# Altium PCB DL-5新款球锁 - 拼板-20201231.PcbDoc (part 2 of 9)
Units mm, origin at the board's own origin, x right, y up, seen from the top; angles counter-clockwise.
Board outline 55.99 x 50 mm, 4 copper layers (Top Layer, POWER, GND, Bottom Layer); 388 components, 70 nets, 1224 pads, 536 vias.
Unrouted connection lines stored in the file: 276.
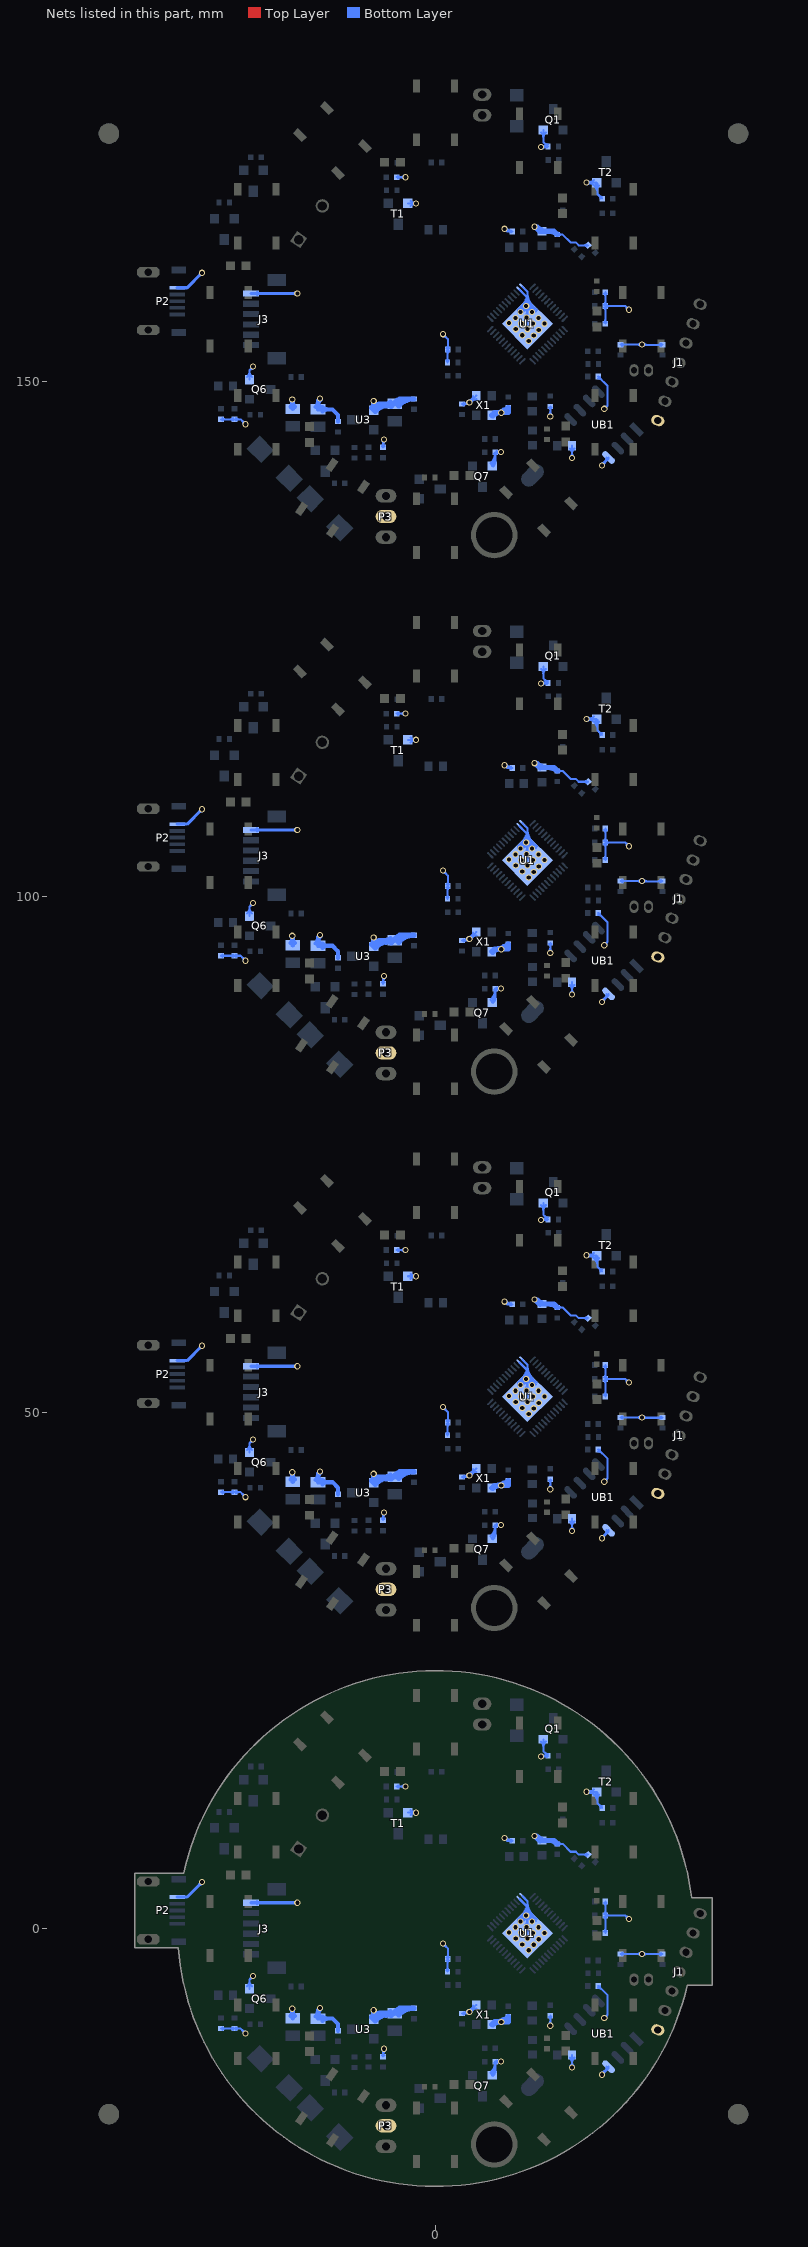
[diagram p4: the nets of this part, all layers, seen from the top]

## Via types
v1: diameter 0.6, hole 0.4, Top Layer to Bottom Layer, 440 vias
v2: diameter 0.6, hole 0.4, Top Layer to Bottom Layer, tented both sides, 48 vias
v3: diameter 0.61, hole 0.406, Top Layer to Bottom Layer, 24 vias
v4: diameter 0.61, hole 0.4, Top Layer to Bottom Layer, 16 vias
v5: diameter 0.61, hole 0.406, Top Layer to Bottom Layer, tented both sides, 8 vias

## Nets (pads, with @x,y where several pads share a name; then routed paths per layer and width w, separated by ;. In a path a pad name is that pad's centre, name@x,y a point inside that pad or via, vN(x,y) a via of type N, cw(c..) or ccw(c..) an arc to the next point about the centre after c; other vN are vias at no path point) (continued)
GND: C1.2 C2.2 C3.2 C4.2 C5.2 C6.2 C27.1 C28.1 C32.1 C33.1 C34.2 C35.1 C36.1 C38.1 C39.2 C40.2 C41.2 C42.2 C43.2 C44.1 C45.1 J1.7 J3.6 P2.5 P3.2 Q1.E Q6.E Q7.E R1.2 R11.2 R18.2 R26.2 R54.1 RW1.2 RW2.1 T1.2 T2.2 U1.0 U1.23 U1.24 U3.1 UB1.4 X1.2 X1.4 | length 721.4
  Top Layer w0.2: v1@-5.008,-11.786 v1(-5.008,-11.659) ; v1@-5.008,40.214 v1(-5.008,40.341) ; v1@-5.008,92.214 v1(-5.008,92.341) ; v1@-5.008,144.214 v1(-5.008,144.341) ; v1(11.121,-9.423) v1@11.121,-9.398 ; v1(11.121,42.577) v1@11.121,42.602 ; v1(11.121,94.577) v1@11.121,94.602 ; v1(11.121,146.577) v1@11.121,146.602
  Bottom Layer w0.2: RW1.2@-20.807,-9.703 RW2.1@-19.486,-9.703 -18.902,-9.703 v1(-18.419,-10.185) ; RW1.2@-20.807,42.297 RW2.1@-19.486,42.297 -18.902,42.297 v1(-18.419,41.815) ; RW1.2@-20.807,94.297 RW2.1@-19.486,94.297 -18.902,94.297 v1(-18.419,93.815) ; RW1.2@-20.807,146.297 RW2.1@-19.486,146.297 -18.902,146.297 v1(-18.419,145.815) ; RW1.2@-20.673,-9.812 cw(c-20.41,-10.075) -20.41,-9.703 cw(c-20.41,-9.331) RW1.2@-20.673,-9.594 ; RW1.2@-20.673,42.188 cw(c-20.41,41.925) -20.41,42.297 cw(c-20.41,42.669) RW1.2@-20.673,42.406 ; RW1.2@-20.673,94.188 cw(c-20.41,93.925) -20.41,94.297 cw(c-20.41,94.669) RW1.2@-20.673,94.406 ; RW1.2@-20.673,146.188 cw(c-20.41,145.925) -20.41,146.297 cw(c-20.41,146.669) RW1.2@-20.673,146.406 ; RW2.1@-19.62,-9.812 ccw(c-19.883,-10.075) -19.883,-9.703 ccw(c-19.883,-9.331) RW2.1@-19.62,-9.594 ; RW2.1@-19.62,42.188 ccw(c-19.883,41.925) -19.883,42.297 ccw(c-19.883,42.669) RW2.1@-19.62,42.406 ; RW2.1@-19.62,94.188 ccw(c-19.883,93.925) -19.883,94.297 ccw(c-19.883,94.669) RW2.1@-19.62,94.406 ; RW2.1@-19.62,146.188 ccw(c-19.883,145.925) -19.883,146.297 ccw(c-19.883,146.669) RW2.1@-19.62,146.406 ; RW2.1@-19.352,-9.812 cw(c-19.089,-10.075) -19.089,-9.703 cw(c-19.089,-9.331) RW2.1@-19.352,-9.594 ; RW2.1@-19.352,42.188 cw(c-19.089,41.925) -19.089,42.297 cw(c-19.089,42.669) RW2.1@-19.352,42.406 ; RW2.1@-19.352,94.188 cw(c-19.089,93.925) -19.089,94.297 cw(c-19.089,94.669) RW2.1@-19.352,94.406 ; RW2.1@-19.352,146.188 cw(c-19.089,145.925) -19.089,146.297 cw(c-19.089,146.669) RW2.1@-19.352,146.406 ; v1@-18.619,-10.185 ccw(c-19.102,-10.185) -18.761,-9.844 ccw(c-18.419,-9.503) v1@-18.419,-9.985 ; v1@-18.619,41.815 ccw(c-19.102,41.815) -18.761,42.156 ccw(c-18.419,42.497) v1@-18.419,42.015 ; v1@-18.619,93.815 ccw(c-19.102,93.815) -18.761,94.156 ccw(c-18.419,94.497) v1@-18.419,94.015 ; v1@-18.619,145.815 ccw(c-19.102,145.815) -18.761,146.156 ccw(c-18.419,146.497) v1@-18.419,146.015 ; Q6.E@-18.268,-5.595 ccw(c-18.823,-5.04) -18.038,-5.04 ccw(c-17.254,-5.04) Q6.E@-17.809,-5.595 ; Q6.E@-18.268,46.405 ccw(c-18.823,46.96) -18.038,46.96 ccw(c-17.254,46.96) Q6.E@-17.809,46.405 ; Q6.E@-18.268,98.405 ccw(c-18.823,98.96) -18.038,98.96 ccw(c-17.254,98.96) Q6.E@-17.809,98.405 ; Q6.E@-18.268,150.405 ccw(c-18.823,150.96) -18.038,150.96 ccw(c-17.254,150.96) Q6.E@-17.809,150.405 ; Q6.E@-18.038,-5.857 -18.038,-4.953 v1(-17.683,-4.597) ; Q6.E@-18.038,46.143 -18.038,47.047 v1(-17.683,47.403) ; Q6.E@-18.038,98.143 -18.038,99.047 v1(-17.683,99.403) ; Q6.E@-18.038,150.143 -18.038,151.047 v1(-17.683,151.403) ; v1@-17.883,-4.597 cw(c-18.366,-4.597) -18.024,-4.939 cw(c-17.683,-5.28) v1@-17.683,-4.797 ; v1@-17.883,47.403 cw(c-18.366,47.403) -18.024,47.061 cw(c-17.683,46.72) v1@-17.683,47.203 ; v1@-17.883,99.403 cw(c-18.366,99.403) -18.024,99.061 cw(c-17.683,98.72) v1@-17.683,99.203 ; v1@-17.883,151.403 cw(c-18.366,151.403) -18.024,151.061 cw(c-17.683,150.72) v1@-17.683,151.203 ; C40.2@-5.193,-12.312 ccw(c-5.456,-12.049) -5.084,-12.049 ccw(c-4.713,-12.049) C40.2@-4.975,-12.312 ; C40.2@-5.193,39.688 ccw(c-5.456,39.951) -5.084,39.951 ccw(c-4.713,39.951) C40.2@-4.975,39.688 ; C40.2@-5.193,91.688 ccw(c-5.456,91.951) -5.084,91.951 ccw(c-4.713,91.951) C40.2@-4.975,91.688 ; C40.2@-5.193,143.688 ccw(c-5.456,143.951) -5.084,143.951 ccw(c-4.713,143.951) C40.2@-4.975,143.688 ; v1@-5.15,-11.8 cw(c-5.307,-11.957) -5.084,-11.957 ; v1@-5.15,40.2 cw(c-5.307,40.043) -5.084,40.043 ; v1@-5.15,92.2 cw(c-5.307,92.043) -5.084,92.043 ; v1@-5.15,144.2 cw(c-5.307,144.043) -5.084,144.043 ; C40.2@-5.084,-12.421 -5.084,-11.735 v1(-5.008,-11.659) ; C40.2@-5.084,-12.325 cw(c-4.341,-12.325) v1@-4.867,-11.8 ; C40.2@-5.084,39.579 -5.084,40.265 v1(-5.008,40.341) ; C40.2@-5.084,39.675 cw(c-4.341,39.675) v1@-4.867,40.2 ; C40.2@-5.084,91.579 -5.084,92.265 v1(-5.008,92.341) ; C40.2@-5.084,91.675 cw(c-4.341,91.675) v1@-4.867,92.2 ; C40.2@-5.084,143.579 -5.084,144.265 v1(-5.008,144.341) ; C40.2@-5.084,143.675 cw(c-4.341,143.675) v1@-4.867,144.2 ; R11.2@-3.764,13.767 v1(-2.925,13.767) ; R11.2@-3.764,65.767 v1(-2.925,65.767) ; R11.2@-3.764,117.767 v1(-2.925,117.767) ; R11.2@-3.764,169.767 v1(-2.925,169.767) ; R11.2@-3.655,13.658 cw(c-3.392,13.395) -3.392,13.767 cw(c-3.392,14.139) R11.2@-3.655,13.876 ; R11.2@-3.655,65.658 cw(c-3.392,65.395) -3.392,65.767 cw(c-3.392,66.139) R11.2@-3.655,65.876 ; R11.2@-3.655,117.658 cw(c-3.392,117.395) -3.392,117.767 cw(c-3.392,118.139) R11.2@-3.655,117.876 ; R11.2@-3.655,169.658 cw(c-3.392,169.395) -3.392,169.767 cw(c-3.392,170.139) R11.2@-3.655,169.876 ; v1@-3.067,13.625 ccw(c-3.408,13.284) -3.408,13.767 ccw(c-3.408,14.25) v1@-3.067,13.908 ; v1@-3.067,65.625 ccw(c-3.408,65.284) -3.408,65.767 ccw(c-3.408,66.25) v1@-3.067,65.908 ; v1@-3.067,117.625 ccw(c-3.408,117.284) -3.408,117.767 ccw(c-3.408,118.25) v1@-3.067,117.908 ; v1@-3.067,169.625 ccw(c-3.408,169.284) -3.408,169.767 ccw(c-3.408,170.25) v1@-3.067,169.908 ; T1.2@-2.686,11.227 v1(-1.884,11.227) ; T1.2@-2.686,63.227 v1(-1.884,63.227) ; T1.2@-2.686,115.227 v1(-1.884,115.227) ; T1.2@-2.686,167.227 v1(-1.884,167.227) ; T1.2@-2.421,10.988 cw(c-1.884,10.504) v1(-1.884,11.227) ; T1.2@-2.421,11.466 ccw(c-1.884,11.95) v1(-1.884,11.227) ; T1.2@-2.421,62.988 cw(c-1.884,62.504) v1(-1.884,63.227) ; T1.2@-2.421,63.466 ccw(c-1.884,63.95) v1(-1.884,63.227) ; T1.2@-2.421,114.988 cw(c-1.884,114.504) v1(-1.884,115.227) ; T1.2@-2.421,115.466 ccw(c-1.884,115.95) v1(-1.884,115.227) ; T1.2@-2.421,166.988 cw(c-1.884,166.504) v1(-1.884,167.227) ; T1.2@-2.421,167.466 ccw(c-1.884,167.95) v1(-1.884,167.227) ; v1@-2.073,11.162 ccw(c-2.31,11.082) -2.245,11.324 ccw(c-2.181,11.565) v1@-2.016,11.377 ; v1@-2.073,11.291 cw(c-2.31,11.372) -2.245,11.13 cw(c-2.181,10.888) v1@-2.016,11.076 ; v1@-2.073,63.162 ccw(c-2.31,63.082) -2.245,63.324 ccw(c-2.181,63.565) v1@-2.016,63.377 ; v1@-2.073,63.291 cw(c-2.31,63.372) -2.245,63.13 cw(c-2.181,62.888) v1@-2.016,63.076 ; v1@-2.073,115.162 ccw(c-2.31,115.082) -2.245,115.324 ccw(c-2.181,115.565) v1@-2.016,115.377 ; v1@-2.073,115.291 cw(c-2.31,115.372) -2.245,115.13 cw(c-2.181,114.888) v1@-2.016,115.076 ; v1@-2.073,167.162 ccw(c-2.31,167.082) -2.245,167.324 ccw(c-2.181,167.565) v1@-2.016,167.377 ; v1@-2.073,167.291 cw(c-2.31,167.372) -2.245,167.13 cw(c-2.181,166.888) v1@-2.016,167.076 ; v1@-2.025,11.085 ccw(c-2.367,10.744) -2.367,11.227 ccw(c-2.367,11.71) v1@-2.025,11.368 ; v1@-2.025,63.085 ccw(c-2.367,62.744) -2.367,63.227 ccw(c-2.367,63.71) v1@-2.025,63.368 ; v1@-2.025,115.085 ccw(c-2.367,114.744) -2.367,115.227 ccw(c-2.367,115.71) v1@-2.025,115.368 ; v1@-2.025,167.085 ccw(c-2.367,166.744) -2.367,167.227 ccw(c-2.367,167.71) v1@-2.025,167.368 ; v1@0.707,-1.648 cw(c0.707,-2.131) 1.048,-1.789 cw(c1.39,-1.448) v1@0.907,-1.448 ; v1(0.707,-1.448) 1.19,-1.93 R18.2@1.19,-2.946 1.164,-2.972 C27.1@1.164,-4.183 ; v1@0.707,50.352 cw(c0.707,49.869) 1.048,50.211 cw(c1.39,50.552) v1@0.907,50.552 ; v1(0.707,50.552) 1.19,50.07 R18.2@1.19,49.054 1.164,49.028 C27.1@1.164,47.817 ; v1@0.707,102.352 cw(c0.707,101.869) 1.048,102.211 cw(c1.39,102.552) v1@0.907,102.552 ; v1(0.707,102.552) 1.19,102.07 R18.2@1.19,101.054 1.164,101.028 C27.1@1.164,99.817 ; v1@0.707,154.352 cw(c0.707,153.869) 1.048,154.211 cw(c1.39,154.552) v1@0.907,154.552 ; v1(0.707,154.552) 1.19,154.07 R18.2@1.19,153.054 1.164,153.028 C27.1@1.164,151.817 ; C27.1@1.055,-4.048 ccw(c0.792,-3.785) 1.164,-3.785 ccw(c1.536,-3.785) C27.1@1.273,-4.048 ; C27.1@1.055,47.952 ccw(c0.792,48.215) 1.164,48.215 ccw(c1.536,48.215) C27.1@1.273,47.952 ; C27.1@1.055,99.952 ccw(c0.792,100.215) 1.164,100.215 ccw(c1.536,100.215) C27.1@1.273,99.952 ; C27.1@1.055,151.952 ccw(c0.792,152.215) 1.164,152.215 ccw(c1.536,152.215) C27.1@1.273,151.952 ; R18.2@1.081,-3.081 cw(c0.879,-3.282) 1.164,-3.282 ; R18.2@1.081,-2.812 ccw(c0.818,-2.549) 1.19,-2.549 ccw(c1.561,-2.549) R18.2@1.298,-2.812 ; R18.2@1.081,48.919 cw(c0.879,48.718) 1.164,48.718 ; R18.2@1.081,49.188 ccw(c0.818,49.451) 1.19,49.451 ccw(c1.561,49.451) R18.2@1.298,49.188 ; R18.2@1.081,100.919 cw(c0.879,100.718) 1.164,100.718 ; R18.2@1.081,101.188 ccw(c0.818,101.451) 1.19,101.451 ccw(c1.561,101.451) R18.2@1.298,101.188 ; R18.2@1.081,152.919 cw(c0.879,152.718) 1.164,152.718 ; R18.2@1.081,153.188 ccw(c0.818,153.451) 1.19,153.451 ccw(c1.561,153.451) R18.2@1.298,153.188 ; 1.164,-3.405 cw(c1.623,-3.405) R18.2@1.298,-3.081 ; 1.164,48.595 cw(c1.623,48.595) R18.2@1.298,48.919 ; 1.164,100.595 cw(c1.623,100.595) R18.2@1.298,100.919 ; 1.164,152.595 cw(c1.623,152.595) R18.2@1.298,152.919 ; C38.1@2.695,-8.338 cw(c2.958,-8.601) 2.958,-8.23 cw(c2.958,-7.858) C38.1@2.695,-8.121 ; C38.1@2.695,43.662 cw(c2.958,43.399) 2.958,43.77 cw(c2.958,44.142) C38.1@2.695,43.879 ; C38.1@2.695,95.662 cw(c2.958,95.399) 2.958,95.77 cw(c2.958,96.142) C38.1@2.695,95.879 ; C38.1@2.695,147.662 cw(c2.958,147.399) 2.958,147.77 cw(c2.958,148.142) C38.1@2.695,147.879 ; 2.966,-8.23 ccw(c2.966,-7.843) v1(3.273,-8.078) ; 2.966,43.77 ccw(c2.966,44.157) v1(3.273,43.922) ; 2.966,95.77 ccw(c2.966,96.157) v1(3.273,95.922) ; 2.966,147.77 ccw(c2.966,148.157) v1(3.273,147.922) ; v1@3.114,-7.956 cw(c2.561,-7.533) C38.1@2.561,-8.23 3.122,-8.23 v1(3.273,-8.078) ; v1@3.114,44.044 cw(c2.561,44.467) C38.1@2.561,43.77 3.122,43.77 v1(3.273,43.922) ; v1@3.114,96.044 cw(c2.561,96.467) C38.1@2.561,95.77 3.122,95.77 v1(3.273,95.922) ; v1@3.114,148.044 cw(c2.561,148.467) C38.1@2.561,147.77 3.122,147.77 v1(3.273,147.922) ; v1@3.229,-7.883 ccw(c3.088,-7.256) X1.4@3.645,-7.577 ; v1@3.229,44.117 ccw(c3.088,44.744) X1.4@3.645,44.423 ; v1@3.229,96.117 ccw(c3.088,96.744) X1.4@3.645,96.423 ; v1@3.229,148.117 ccw(c3.088,148.744) X1.4@3.645,148.423 ; v1@3.273,-7.878 ccw(c3.273,-7.395) 3.615,-7.737 ccw(c3.956,-8.078) v1@3.473,-8.078 ; v1@3.273,44.122 ccw(c3.273,44.605) 3.615,44.263 ccw(c3.956,43.922) v1@3.473,43.922 ; v1@3.273,96.122 ccw(c3.273,96.605) 3.615,96.263 ccw(c3.956,95.922) v1@3.473,95.922 ; v1@3.273,148.122 ccw(c3.273,148.605) 3.615,148.263 ccw(c3.956,147.922) v1@3.473,147.922 ; v1@3.325,-7.885 ccw(c3.426,-7.508) X1.4@3.621,-7.846 ; v1@3.325,44.115 ccw(c3.426,44.492) X1.4@3.621,44.154 ; v1@3.325,96.115 ccw(c3.426,96.492) X1.4@3.621,96.154 ; v1@3.325,148.115 ccw(c3.426,148.492) X1.4@3.621,148.154 ; v1@3.347,-8.004 cw(c3.945,-8.602) X1.4@3.945,-7.757 ; v1@3.347,43.996 cw(c3.945,43.398) X1.4@3.945,44.243 ; v1@3.347,95.996 cw(c3.945,95.398) X1.4@3.945,96.243 ; v1@3.347,147.996 cw(c3.945,147.398) X1.4@3.945,148.243 ; v1@3.466,-8.13 cw(c4.022,-8.279) X1.4@3.734,-7.781 ; v1@3.466,-8.026 cw(c3.698,-7.964) 3.49,-7.845 ; v1@3.466,43.87 cw(c4.022,43.721) X1.4@3.734,44.219 ; v1@3.466,43.974 cw(c3.698,44.036) 3.49,44.155 ; v1@3.466,95.87 cw(c4.022,95.721) X1.4@3.734,96.219 ; v1@3.466,95.974 cw(c3.698,96.036) 3.49,96.155 ; v1@3.466,147.87 cw(c4.022,147.721) X1.4@3.734,148.219 ; v1@3.466,147.974 cw(c3.698,148.036) 3.49,148.155 ; v1@3.468,-7.883 ccw(c3.041,-7.457) X1.4@3.645,-7.457 ; v1@3.468,44.117 ccw(c3.041,44.543) X1.4@3.645,44.543 ; v1@3.468,96.117 ccw(c3.041,96.543) X1.4@3.645,96.543 ; v1@3.468,148.117 ccw(c3.041,148.543) X1.4@3.645,148.543 ; X1.4@3.945,-7.407 v1(3.273,-8.078) ; X1.4@3.945,44.593 v1(3.273,43.922) ; X1.4@3.945,96.593 v1(3.273,95.922) ; X1.4@3.945,148.593 v1(3.273,147.922) ; Q7.E@5.306,-13.983 ccw(c4.329,-12.905) R26.2@5.784,-12.905 ; Q7.E@5.306,38.017 ccw(c4.329,39.095) R26.2@5.784,39.095 ; Q7.E@5.306,90.017 ccw(c4.329,91.095) R26.2@5.784,91.095 ; Q7.E@5.306,142.017 ccw(c4.329,143.095) R26.2@5.784,143.095 ; Q7.E@5.441,-14.131 ccw(c4.738,-13.356) 5.784,-13.356 ; Q7.E@5.441,37.869 ccw(c4.738,38.644) 5.784,38.644 ; Q7.E@5.441,89.869 ccw(c4.738,90.644) 5.784,90.644 ; Q7.E@5.441,141.869 ccw(c4.738,142.644) 5.784,142.644 ; Q7.E@5.492,-14.224 5.784,-13.932 R26.2@5.784,-12.905 ; Q7.E@5.492,37.776 5.784,38.068 R26.2@5.784,39.095 ; Q7.E@5.492,89.776 5.784,90.068 R26.2@5.784,91.095 6.319,91.095 v1(6.346,91.122) ; Q7.E@5.492,141.776 5.784,142.068 R26.2@5.784,143.095 ; Q7.E@5.575,-14.28 ccw(c5.147,-13.807) Q7.E@5.784,-13.807 ; Q7.E@5.575,37.72 ccw(c5.147,38.193) Q7.E@5.784,38.193 ; Q7.E@5.575,89.72 ccw(c5.147,90.193) Q7.E@5.784,90.193 ; Q7.E@5.575,141.72 ccw(c5.147,142.193) Q7.E@5.784,142.193 ; R26.2@5.675,-13.039 cw(c5.413,-13.302) 5.784,-13.302 cw(c6.156,-13.302) R26.2@5.893,-13.039 ; R26.2@5.675,38.961 cw(c5.413,38.698) 5.784,38.698 cw(c6.156,38.698) R26.2@5.893,38.961 ; R26.2@5.675,90.961 cw(c5.413,90.698) 5.784,90.698 cw(c6.156,90.698) R26.2@5.893,90.961 ; R26.2@5.675,142.961 cw(c5.413,142.698) 5.784,142.698 cw(c6.156,142.698) R26.2@5.893,142.961 ; R26.2@5.798,-12.905 ccw(c5.798,-12.33) v1@6.204,-12.736 ; R26.2@5.798,39.095 ccw(c5.798,39.67) v1@6.204,39.264 ; R26.2@5.798,91.095 ccw(c5.798,91.67) v1@6.204,91.264 ; R26.2@5.798,143.095 ccw(c5.798,143.67) v1@6.204,143.264 ; R26.2@5.893,-13.014 cw(c6.156,-13.277) 6.156,-12.905 cw(c6.156,-12.533) R26.2@5.893,-12.796 ; R26.2@5.893,38.986 cw(c6.156,38.723) 6.156,39.095 cw(c6.156,39.467) R26.2@5.893,39.204 ; R26.2@5.893,90.986 cw(c6.156,90.723) 6.156,91.095 cw(c6.156,91.467) R26.2@5.893,91.204 ; R26.2@5.893,142.986 cw(c6.156,142.723) 6.156,143.095 cw(c6.156,143.467) R26.2@5.893,143.204 ; R26.2@5.928,-12.905 cw(c5.928,-13.295) v1@6.204,-13.019 ; R26.2@5.928,39.095 cw(c5.928,38.705) v1@6.204,38.981 ; R26.2@5.928,91.095 cw(c5.928,90.705) v1@6.204,90.981 ; R26.2@5.928,143.095 cw(c5.928,142.705) v1@6.204,142.981 ; v1@6.158,-12.808 cw(c5.952,-12.732) 6.009,-12.944 cw(c6.054,-13.113) v1@6.19,-13.003 ; v1@6.158,39.192 cw(c5.952,39.268) 6.009,39.056 cw(c6.054,38.887) v1@6.19,38.997 ; v1@6.158,91.192 cw(c5.952,91.268) 6.009,91.056 cw(c6.054,90.887) v1@6.19,90.997 ; v1@6.158,143.192 cw(c5.952,143.268) 6.009,143.056 cw(c6.054,142.887) v1@6.19,142.997 ; v1(6.346,-12.878) 6.319,-12.905 R26.2@5.784,-12.905 ; v1(6.346,39.122) 6.319,39.095 R26.2@5.784,39.095 ; v1(6.346,143.122) 6.319,143.095 R26.2@5.784,143.095 ; v1@6.852,8.858 ccw(c7.438,9.175) C44.1@7.438,8.509 6.93,8.509 v1(6.676,8.763) ccw(c7.102,8.994) 7.102,8.509 ; v1@6.852,60.858 ccw(c7.438,61.175) C44.1@7.438,60.509 6.93,60.509 v1(6.676,60.763) ccw(c7.102,60.994) 7.102,60.509 ; v1@6.852,112.858 ccw(c7.438,113.175) C44.1@7.438,112.509 6.93,112.509 v1(6.676,112.763) ccw(c7.102,112.994) 7.102,112.509 ; v1@6.852,164.858 ccw(c7.438,165.175) C44.1@7.438,164.509 6.93,164.509 v1(6.676,164.763) ccw(c7.102,164.994) 7.102,164.509 ; C44.1@7.329,8.4 ccw(c7.066,8.137) 7.066,8.509 ccw(c7.066,8.881) C44.1@7.329,8.618 ; C44.1@7.329,60.4 ccw(c7.066,60.137) 7.066,60.509 ccw(c7.066,60.881) C44.1@7.329,60.618 ; C44.1@7.329,112.4 ccw(c7.066,112.137) 7.066,112.509 ccw(c7.066,112.881) C44.1@7.329,112.618 ; C44.1@7.329,164.4 ccw(c7.066,164.137) 7.066,164.509 ccw(c7.066,164.881) C44.1@7.329,164.618 ; U1.0@7.986,0.909 ccw(c6.803,2.654) 8.911,2.654 ; U1.0@7.986,52.909 ccw(c6.803,54.654) 8.911,54.654 ; U1.0@7.986,104.909 ccw(c6.803,106.654) 8.911,106.654 ccw(c11.019,106.654) U1.0@9.837,104.909 ; U1.0@7.986,156.909 ccw(c6.803,158.654) 8.911,158.654 ; U1.0@8.046,0.598 cw(c8.39,0.767) U1.0@8.123,1.042 ; U1.0@8.046,52.598 cw(c8.39,52.767) U1.0@8.123,53.042 ; U1.0@8.046,104.598 cw(c8.39,104.767) U1.0@8.123,105.042 ; U1.0@8.046,156.598 cw(c8.39,156.767) U1.0@8.123,157.042 ; U1.0@8.047,0.949 cw(c8.476,0.539) U1.0@8.706,1.086 ; U1.0@8.047,52.949 cw(c8.476,52.539) U1.0@8.706,53.086 ; U1.0@8.047,104.949 cw(c8.476,104.539) U1.0@8.706,105.086 ; U1.0@8.047,156.949 cw(c8.476,156.539) U1.0@8.706,157.086 ; U1.0@8.098,0.743 ccw(c7.059,2.277) 8.911,2.277 ccw(c10.764,2.277) U1.0@9.724,0.743 ; U1.0@8.098,52.743 ccw(c7.059,54.277) 8.911,54.277 ccw(c10.764,54.277) U1.0@9.724,52.743 ; U1.0@8.098,104.743 ccw(c7.059,106.277) 8.911,106.277 ccw(c10.764,106.277) U1.0@9.724,104.743 ; U1.0@8.098,156.743 ccw(c7.059,158.277) 8.911,158.277 ccw(c10.764,158.277) U1.0@9.724,156.743 ; U1.0@8.128,0.775 cw(c8.815,0.124) U1.0@8.789,1.07 ; U1.0@8.128,52.775 cw(c8.815,52.124) U1.0@8.789,53.07 ; U1.0@8.128,104.775 cw(c8.815,104.124) U1.0@8.789,105.07 ; U1.0@8.128,156.775 cw(c8.815,156.124) U1.0@8.789,157.07 ; U1.23@8.133,2.866 8.911,2.088 ; U1.23@8.133,54.866 8.911,54.088 ; U1.23@8.133,106.866 8.911,106.088 ; U1.23@8.133,158.866 8.911,158.088 ; U1.0@8.248,1.159 cw(c8.597,0.825) v1(8.784,1.27) ; U1.0@8.248,53.159 cw(c8.597,52.825) v1(8.784,53.27) ; U1.0@8.248,105.159 cw(c8.597,104.825) v1(8.784,105.27) ; U1.0@8.248,157.159 cw(c8.597,156.825) v1(8.784,157.27) ; U1.0@8.292,0.874 ccw(c8.442,1.304) U1.0@8.729,0.951 ; U1.0@8.292,52.874 ccw(c8.442,53.304) U1.0@8.729,52.951 ; U1.0@8.292,104.874 ccw(c8.442,105.304) U1.0@8.729,104.951 ; U1.0@8.292,156.875 ccw(c8.442,157.304) U1.0@8.729,156.951 ; U1.0@8.319,0.866 ccw(c7.911,1.78) 8.911,1.78 ccw(c9.912,1.78) U1.0@9.503,0.866 ; U1.0@8.319,52.866 ccw(c7.911,53.78) 8.911,53.78 ccw(c9.912,53.78) U1.0@9.503,52.866 ; U1.0@8.319,104.866 ccw(c7.911,105.78) 8.911,105.78 ccw(c9.912,105.78) U1.0@9.503,104.866 ; U1.0@8.319,156.866 ccw(c7.911,157.78) 8.911,157.78 ccw(c9.912,157.78) U1.0@9.503,156.866 ; U1.0@8.32,1.233 ccw(c8.649,0.894) v1(8.225,0.686) cw(c8.682,0.719) U1.0@8.336,1.018 ; U1.0@8.32,53.233 ccw(c8.649,52.894) v1(8.225,52.686) cw(c8.682,52.719) U1.0@8.336,53.018 ; U1.0@8.32,105.233 ccw(c8.649,104.894) v1(8.225,104.686) cw(c8.682,104.719) U1.0@8.336,105.018 ; U1.0@8.32,157.233 ccw(c8.649,156.894) v1(8.225,156.686) cw(c8.682,156.719) U1.0@8.336,157.018 ; U1.0@8.401,0.684 ccw(c8.049,1.471) 8.911,1.471 ccw(c9.774,1.471) U1.0@9.421,0.684 ; U1.0@8.401,52.684 ccw(c8.049,53.471) 8.911,53.471 ccw(c9.774,53.471) U1.0@9.421,52.684 ; U1.0@8.401,104.684 ccw(c8.049,105.471) 8.911,105.471 ccw(c9.774,105.471) U1.0@9.421,104.684 ; U1.0@8.401,156.684 ccw(c8.049,157.471) 8.911,157.471 ccw(c9.774,157.471) U1.0@9.421,156.684 ; U1.0@8.405,0.774 cw(c8.909,1.022) U1.0@8.518,1.425 ; U1.0@8.405,52.774 cw(c8.909,53.022) U1.0@8.518,53.425 ; U1.0@8.405,104.774 cw(c8.909,105.022) U1.0@8.518,105.425 ; U1.0@8.405,156.774 cw(c8.909,157.022) U1.0@8.518,157.425 ; U1.0@8.411,0.945 ccw(c8.087,1.325) U1.0@8.585,1.286 ; U1.0@8.411,52.945 ccw(c8.087,53.325) U1.0@8.585,53.286 ; U1.0@8.411,104.945 ccw(c8.087,105.325) U1.0@8.585,105.286 ; U1.0@8.411,156.945 ccw(c8.087,157.325) U1.0@8.585,157.286 ; U1.24@8.416,3.149 8.911,2.654 ; U1.24@8.416,55.149 8.911,54.654 ; U1.24@8.416,107.149 8.911,106.654 8.911,106.088 ; U1.24@8.416,159.149 8.911,158.654 ; U1.0@8.424,0.665 cw(c9.18,0.587) U1.0@8.701,1.177 ; U1.0@8.424,52.665 cw(c9.18,52.587) U1.0@8.701,53.177 ; U1.0@8.424,104.665 cw(c9.18,104.587) U1.0@8.701,105.177 ; U1.0@8.424,156.665 cw(c9.18,156.587) U1.0@8.701,157.177 ; U1.0@8.425,0.7 cw(c9.363,0.768) U1.0@8.652,1.383 ; U1.0@8.425,52.7 cw(c9.363,52.768) U1.0@8.652,53.383 ; U1.0@8.425,104.7 cw(c9.363,104.768) U1.0@8.652,105.383 ; U1.0@8.425,156.7 cw(c9.363,156.768) U1.0@8.652,157.383 ; U1.0@8.429,0.96 cw(c8.732,0.605) U1.0@8.768,1.071 ; U1.0@8.429,52.96 cw(c8.732,52.605) U1.0@8.768,53.071 ; U1.0@8.429,104.96 cw(c8.732,104.605) U1.0@8.768,105.071 ; U1.0@8.429,156.96 cw(c8.732,156.605) U1.0@8.768,157.071 ; U1.0@8.449,1.369 cw(c8.717,1.112) U1.0@8.862,1.454 ; U1.0@8.449,53.369 cw(c8.717,53.112) U1.0@8.862,53.454 ; U1.0@8.449,105.369 cw(c8.717,105.112) U1.0@8.862,105.454 ; U1.0@8.449,157.369 cw(c8.717,157.112) U1.0@8.862,157.454 ; U1.0@8.46,1.126 cw(c8.796,0.807) v1(8.784,1.27) ; U1.0@8.46,53.126 cw(c8.796,52.807) v1(8.784,53.27) ; U1.0@8.46,105.126 cw(c8.796,104.807) v1(8.784,105.27) ; U1.0@8.46,157.126 cw(c8.796,156.807) v1(8.784,157.27) ; U1.0@8.473,0.861 cw(c8.899,0.553) U1.0@8.816,1.073 ; U1.0@8.473,52.861 cw(c8.899,52.553) U1.0@8.816,53.073 ; U1.0@8.473,104.861 cw(c8.899,104.553) U1.0@8.816,105.073 ; U1.0@8.473,156.861 cw(c8.899,156.553) U1.0@8.816,157.073 ; U1.0@8.509,0.911 ccw(c8.153,1.169) U1.0@8.587,1.238 ; U1.0@8.509,52.911 ccw(c8.153,53.169) U1.0@8.587,53.238 ; U1.0@8.509,104.911 ccw(c8.153,105.169) U1.0@8.587,105.238 ; U1.0@8.509,156.911 ccw(c8.153,157.169) U1.0@8.587,157.238 ; U1.0@8.518,1.107 cw(c8.778,0.98) v1(8.784,1.27) ; U1.0@8.518,53.107 cw(c8.778,52.98) v1(8.784,53.27) ; U1.0@8.518,105.107 cw(c8.778,104.98) v1(8.784,105.27) ; U1.0@8.518,157.107 cw(c8.778,156.98) v1(8.784,157.27) ; U1.0@8.557,1.489 ccw(c8.836,1.363) U1.0@8.687,1.095 ; U1.0@8.557,53.489 ccw(c8.836,53.363)